# Altium PCB Computer_Board_Mockup.PcbDoc (part 1 of 5) (continued)
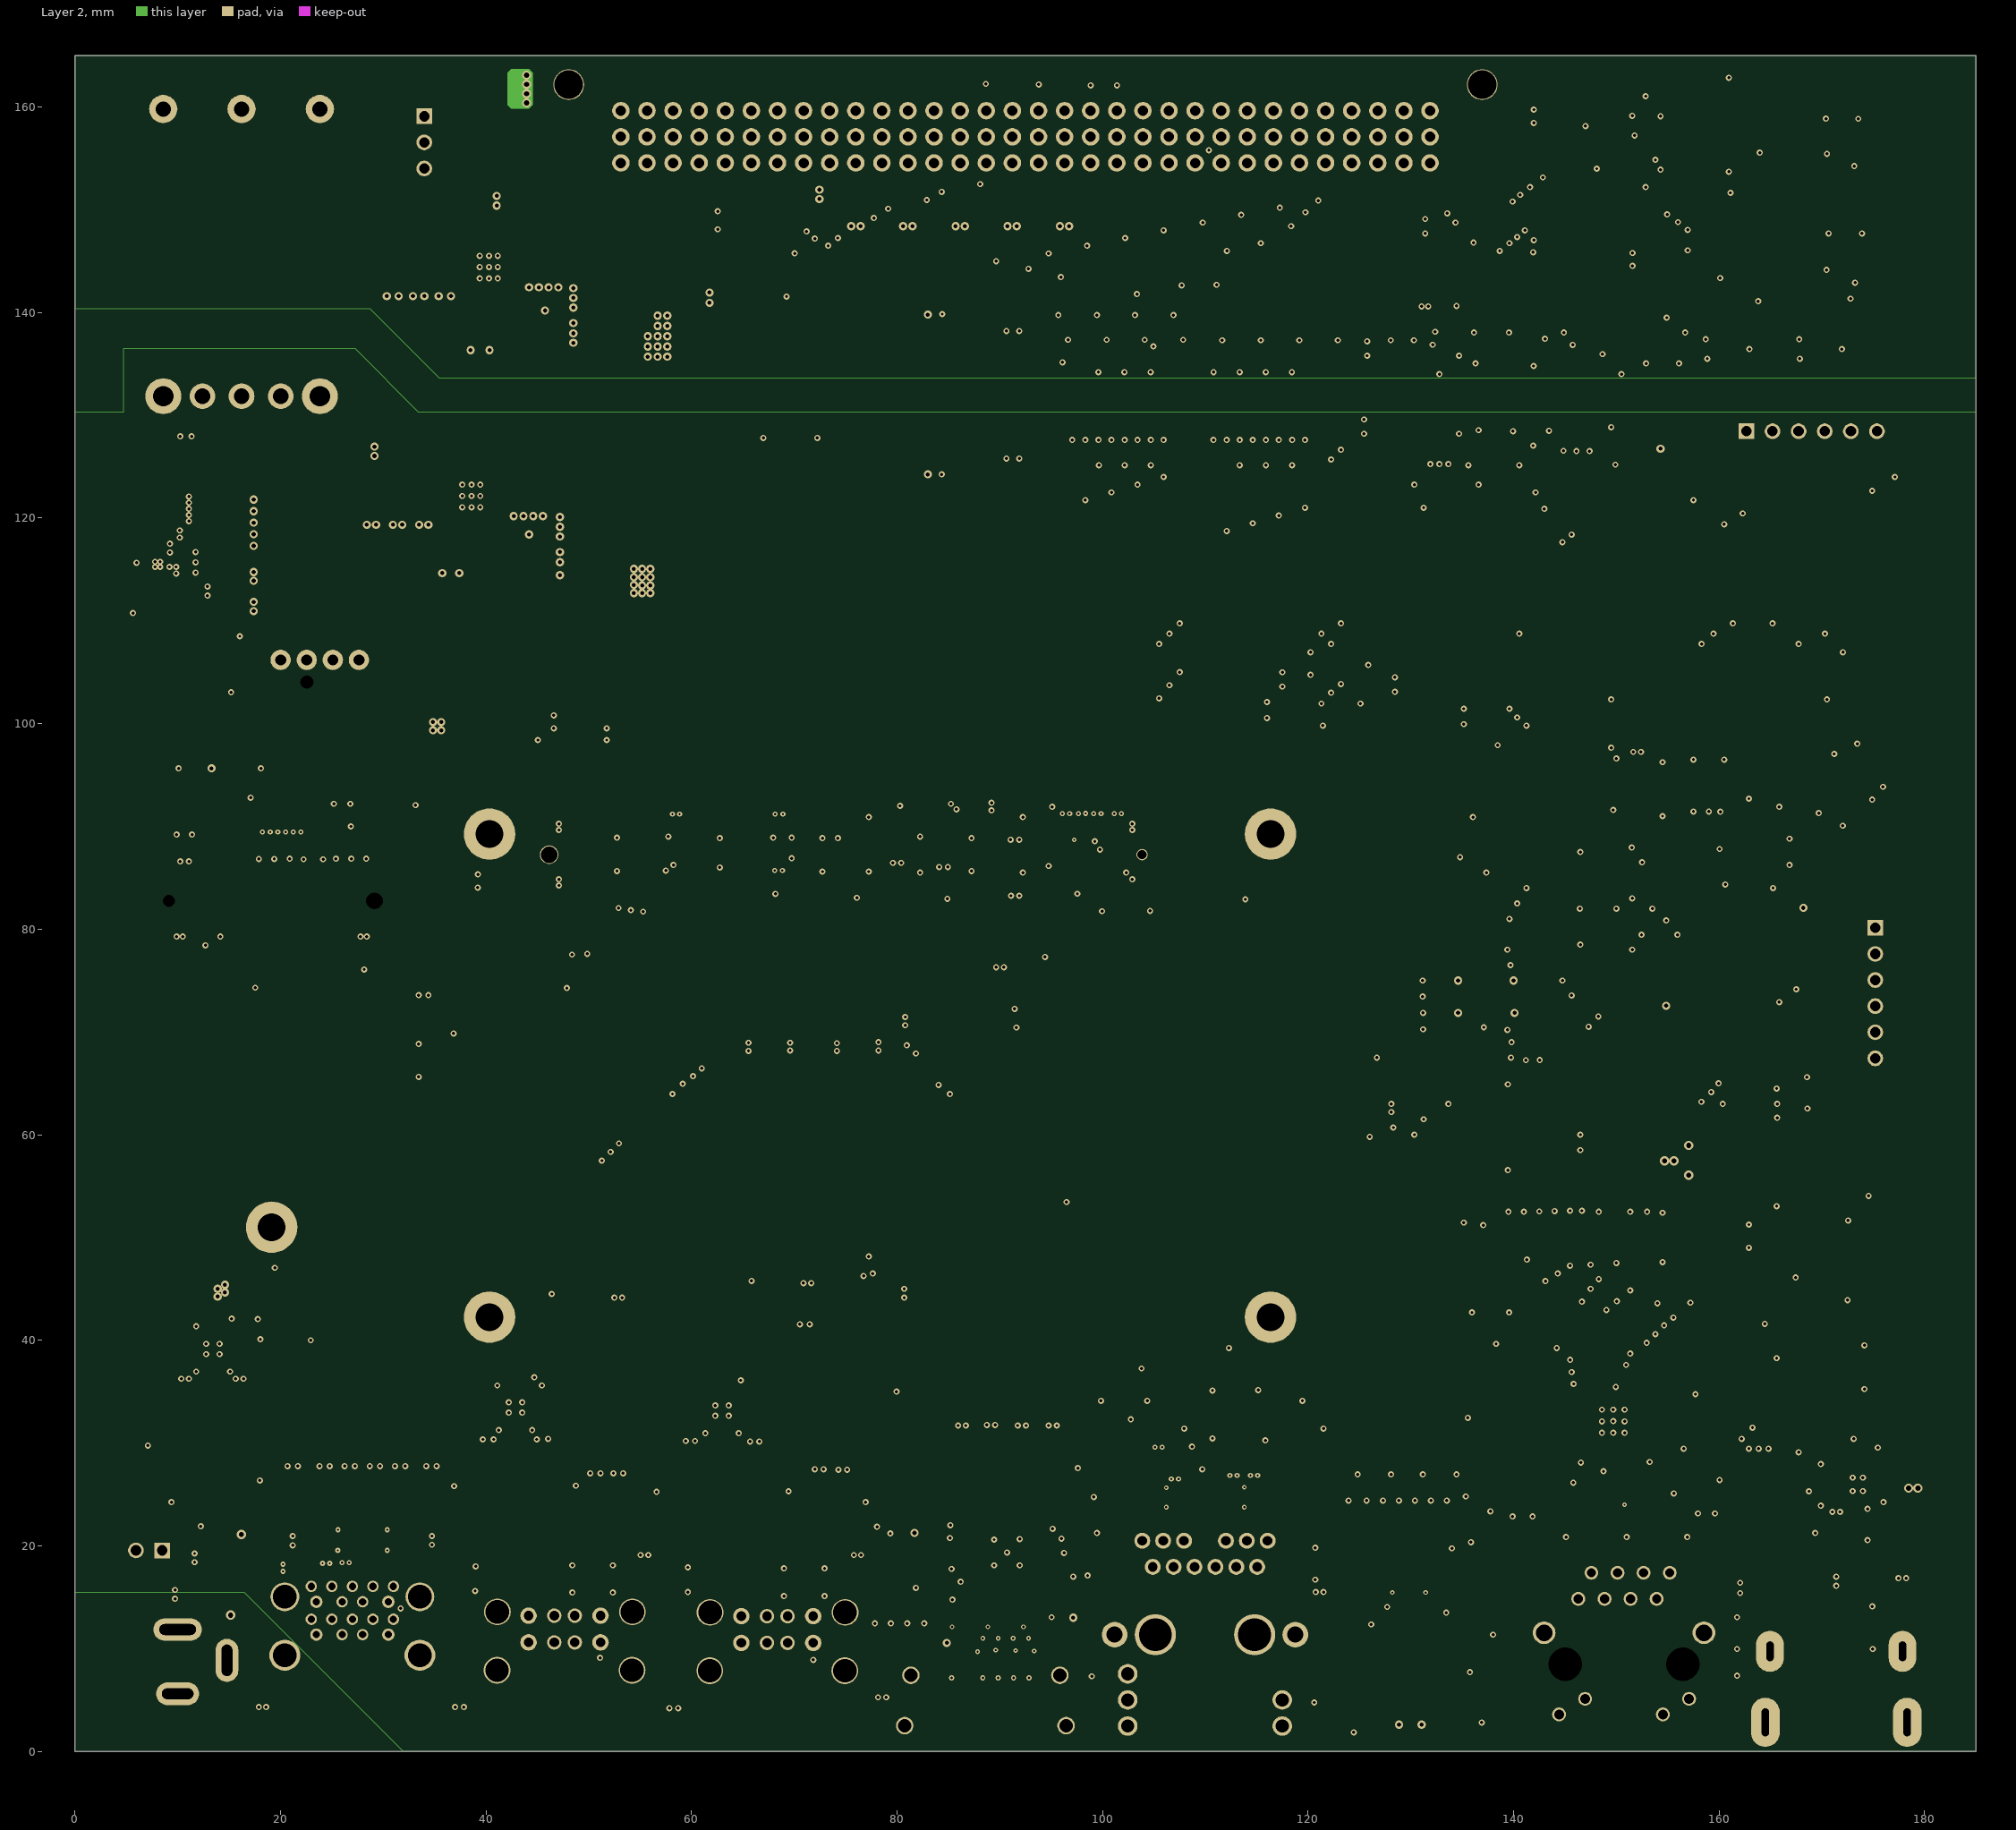
[diagram p3: Layer 2]

## Layer stack, top to bottom
Top Solder: solder mask 0.0102, Solder Resist, Dk 3.8
Top Layer: signal copper 0.035
Dielectric 2: prepreg 0.2, PP-022, Dk 4.6
Layer 1: signal copper 0.0175
Dielectric 1: dielectric 1.065, FR-4, Dk 4.8
Layer 2: signal copper 0.0175
Dielectric 3: prepreg 0.2, PP-022, Dk 4.6
Bottom Layer: signal copper 0.035
Bottom Solder: solder mask 0.0102, Solder Resist, Dk 3.8

## Board outline
0,0 185,0 185,165 0,165

## Design rules (kind name [scope] priority, off if disabled: settings)
BoardOutlineClearance [All] p1: gap=0.4 ignorepadtopadclearanceinfootprint=FALSE except(0: Arc-SplitContinuation Track-SplitContinuation SMDPad-SplitContinuation THPad-SplitContinuation Via-SplitContinuation Fill-SplitContinuation Poly-SplitContinuation Region-SplitContinuation Text-SplitContinuation)
Clearance Clearance_HighSpeed [InNetClass('High Speed') vs OnLayer('Top Layer')] p1: gap=0.25 ignorepadtopadclearanceinfootprint=FALSE except(0: Arc-Hole Track-Hole SMDPad-Hole THPad-Hole Via-Hole Fill-Hole Poly-Hole Region-Hole Text-Hole; 0.1: Arc-Arc Arc-Track Arc-SMDPad Track-Track Track-SMDPad SMDPad-SMDPad; 0.15: Arc-Via Track-Via SMDPad-Via Via-Via; 0.2: Arc-THPad Track-THPad SMDPad-THPad THPad-THPad THPad-Via; 0.22: SMDPad-Fill SMDPad-Poly SMDPad-Region; 0.75: Arc-Fill Arc-Poly Arc-Region Track-Fill Track-Poly Track-Region Fill-Fill Fill-Poly Fill-Region Poly-Poly Poly-Region Region-Region)
Clearance [All] p2: gap=0.2 ignorepadtopadclearanceinfootprint=FALSE except(0: Arc-Hole Track-Hole SMDPad-Hole THPad-Hole Via-Hole Fill-Hole Poly-Hole Region-Hole Text-Hole; 0.1: Arc-Arc Arc-Track Arc-SMDPad Track-Track Track-SMDPad SMDPad-SMDPad; 0.15: Arc-Via Track-Via SMDPad-Via Via-Via; 0.25: Arc-Text Track-Text SMDPad-Text THPad-Fill THPad-Poly THPad-Region THPad-Text Via-Text Fill-Fill Fill-Poly Fill-Region Fill-Text Poly-Poly Poly-Region Poly-Text Region-Region Region-Text Text-Text)
DiffPairsRouting DiffPairs_USB [InDifferentialPairClass('USB')] p1: maxlimit=1 minlimit=0.1 mostfreqgap=0.2 toplayer_minwidth=0.1 toplayer_maxwidth=1 toplayer_prefwidth=0.25 midlayer1_minwidth=0.1 midlayer1_maxwidth=1 midlayer1_prefwidth=0.25 midlayer2_minwidth=0.1 midlayer2_maxwidth=1 midlayer2_prefwidth=0.25 bottomlayer_minwidth=0.1 bottomlayer_maxwidth=1 bottomlayer_prefwidth=0.25 maxuncoupledlength=12.7
DiffPairsRouting DiffPairs_PCIE [InDifferentialPairClass('PCIE')] p2: maxlimit=1 minlimit=0.1 mostfreqgap=0.18 toplayer_minwidth=0.2 toplayer_maxwidth=1 toplayer_prefwidth=0.25 midlayer1_minwidth=0.2 midlayer1_maxwidth=1 midlayer1_prefwidth=0.25 midlayer2_minwidth=0.2 midlayer2_maxwidth=1 midlayer2_prefwidth=0.25 bottomlayer_minwidth=0.2 bottomlayer_maxwidth=1 bottomlayer_prefwidth=0.25 maxuncoupledlength=12.7
DiffPairsRouting DiffPairs_HDMI [InDifferentialPairClass('HDMI')] p3: maxlimit=1 minlimit=0.2 mostfreqgap=0.2 toplayer_minwidth=0.2 toplayer_maxwidth=1 toplayer_prefwidth=0.25 midlayer1_minwidth=0.2 midlayer1_maxwidth=1 midlayer1_prefwidth=0.25 midlayer2_minwidth=0.2 midlayer2_maxwidth=1 midlayer2_prefwidth=0.25 bottomlayer_minwidth=0.2 bottomlayer_maxwidth=1 bottomlayer_prefwidth=0.25 maxuncoupledlength=12.7
DiffPairsRouting DiffPairs_Ethernet [InDifferentialPairClass('Ethernet')] p4: maxlimit=1 minlimit=0.2 mostfreqgap=0.25 toplayer_minwidth=0.2 toplayer_maxwidth=1 toplayer_prefwidth=0.25 midlayer1_minwidth=0.2 midlayer1_maxwidth=1 midlayer1_prefwidth=0.25 midlayer2_minwidth=0.2 midlayer2_maxwidth=1 midlayer2_prefwidth=0.25 bottomlayer_minwidth=0.2 bottomlayer_maxwidth=1 bottomlayer_prefwidth=0.25 maxuncoupledlength=12.7
MinimumSolderMaskSliver [All] p1: minsoldermaskwidth=0.1
PolygonConnect [All] p1: thpad.connectstyle=Relief thpad.reliefconductorwidth=0.254 thpad.reliefentries=4 thpad.polygonreliefangle="90 Angle" thpad.airgapwidth=0.254 smdpad.connectstyle=Direct smdpad.reliefconductorwidth=0.254 smdpad.reliefentries=4 smdpad.polygonreliefangle="90 Angle" smdpad.airgapwidth=0.254 via.connectstyle=Direct via.reliefconductorwidth=0.254 via.reliefentries=4 via.polygonreliefangle="90 Angle" via.airgapwidth=0.254
RoutingVias [All] p1: holewidth=0.3 width=0.6 viastyle="Through Hole" minholewidth=0.2 minwidth=0.4 maxholewidth=5 maxwidth=10
SolderMaskExpansion [All] p1: expansion=0.102 istentingtop=FALSE
Width [All] p1: maxlimit=100 minlimit=0.2 preferedwidth=0.25 midlayer1_minwidth=0.25 midlayer2_minwidth=0.25 minimp=50.000000 maximp=50.000000 favimp=50.000000
28 further rules are at their usual default settings.

## Classes and differential pairs
component class SCH12_AFE: C85 C86 C87 C88 C89 C90 C91 C92 C93 C94 C95 C96 C97 C98 C99 C100 C101 C102 C103 C104 C105 C106 D29 D30 D31 F3 F4 F5 F6 J13 J14 J15 J16 R101 R102 R103 R104 R105 R107 R108 R109 R110 R111 R113 R115 R116 R117 U41 U42 U43 U44 U45 U46 U47
component class SCH11_Digital_IO: C79 C80 C81 C82 C83 C84 C115 C116 D19 D20 D21 D22 D23 D24 D25 D26 D27 D28 D34 D35 R78 R79 R80 R81 R82 R83 R84 R85 R86 R87 R88 R89 R90 R91 R92 R93 R94 R95 R96 R97 R98 R99 R100 R121 R122 U35 U36 U37 U38 U39 U40 U48
component class SCH10_BBB_USB: C76 C77 C78 C110 D16 J10 L21 R73 R74 R75 T11 U31 U32
net class "High Speed": BBB_RX_N BBB_RX_P BBB_TX_N BBB_TX_P BBB_USB1_D_N BBB_USB1_D_P BBB_USB1_EXT_N BBB_USB1_EXT_P HDMI_CLK_EXT_N HDMI_CLK_EXT_P HDMI_CLK_N HDMI_CLK_P HDMI_DAT0_EXT_N HDMI_DAT0_EXT_P HDMI_DAT0_N HDMI_DAT0_P HDMI_DAT1_EXT_N HDMI_DAT1_EXT_P HDMI_DAT1_N HDMI_DAT1_P HDMI_DAT2_EXT_N HDMI_DAT2_EXT_P HDMI_DAT2_N HDMI_DAT2_P MDI0_N MDI0_P MDI1_N MDI1_P MDI2_N MDI2_P MDI3_N MDI3_P PCIE_CLK_N PCIE_CLK_P PCIE_RX0_N PCIE_RX0_P PCIE_TX0_N PCIE_TX0_P TMDSX_CLK_N TMDSX_CLK_P TMDSX_DATA0_N TMDSX_DATA0_P TMDSX_DATA1_N TMDSX_DATA1_P TMDSX_DATA2_N TMDSX_DATA2_P USB0_C_N USB0_C_P USB0_C_RX_N USB0_C_RX_P USB0_C_TX_N USB0_C_TX_P USB0_N USB0_P USB1_C_N USB1_C_P USB1_C_RX_N USB1_C_RX_P USB1_C_TX_N USB1_C_TX_P USB1_N USB1_P USB2_C_N USB2_C_P USB2_N USB2_P USB3_C_N USB3_C_P USB3_N USB3_P USB4_C_N USB4_C_P USB4_N USB4_P USB5_C_N USB5_C_P USB5_N USB5_P USB6_BBB_N USB6_BBB_P USB6_N USB6_P USB7_N USB7_P USB_SSRX0_N USB_SSRX0_P USB_SSRX1_N USB_SSRX1_P USB_SSTX0_N USB_SSTX0_P USB_SSTX1_N USB_SSTX1_P
differential pair class PCIE: PCIE_CLK PCIE_RX0 PCIE_TX0
differential pair class HDMI: HDMI_CLK HDMI_CLK_EXT HDMI_DAT0 HDMI_DAT0_EXT HDMI_DAT1 HDMI_DAT1_EXT HDMI_DAT2 HDMI_DAT2_EXT TMDSX_CLK TMDSX_DATA0 TMDSX_DATA1 TMDSX_DATA2
differential pair class Ethernet: BBB_RX BBB_TX MDI0 MDI1 MDI2 MDI3
differential pair class USB: BBB_USB1_D BBB_USB1_EXT USB0 USB0_C USB0_C_RX USB0_C_TX USB1 USB1_C USB1_C_RX USB1_C_TX USB2 USB2_C USB3 USB3_C USB4 USB4_C USB5 USB5_C USB6 USB6_BBB USB7 USB_SSRX0 USB_SSRX1 USB_SSTX0 USB_SSTX1
component class SCH9_BBB_Eth: C67 C68 C69 C70 C71 C72 C73 C74 C75 J12 L18 L19 L20 R60 R61 R62 R63 R64 R65 R66 R67 R68 R69 R70 R71 R76 RN1 RN2 U29 U30 Y1
component class SCH8_BBB: C65 C66 C107 C108 C109 C111 C112 C113 C114 D17 D18 D32 D33 J11 MOD1 P4 P6 Q6 Q7 R51 R52 R53 R54 R55 R56 R57 R58 R59 R72 R77 R106 R112 R114 R118 R119 R120 SW2 SW3 U33 U34
component class SCH7_Main_Computer_PCIe: C62 C63 C64 J9 R42 R43 R44 R45 R47 R48 R49 U28
component class SCH6_Main_computer_Display: C47 C48 C49 C50 C51 C52 C53 C54 C55 C56 C57 C58 C59 C60 D14 F2 J8 L14 L15 L16 L17 R32 R33 R34 R35 R36 R37 R38 R39 R40 R41 R46 U24 U25 U26 U27
component class SCH5_Main_computer_USB2-0: C37 C38 C39 C40 C41 C42 C43 C44 C45 C46 D10 D11 D12 D13 J6 J7 L10 L11 L12 L13 R30 R31 T7 T8 T9 T10 U18 U19 U20 U21 U22 U23
component class SCH4_Main_Computer_USB: C31 C32 C33 C34 C35 C36 D8 D9 J5 L8 L9 Q3 Q4 Q5 R26 R27 R28 R29 T1 T2 T3 T4 T5 T6 U13 U14 U15 U16 U17
component class SCH3_Main_Computer_Eth: C61 J4 L7 R20 R21 R22 R23 R24 R25 U6 U7 U8 U9 U10 U11 U12
component class SCH2_Main_Computer: BT1 C30 D5 D6 D7 D15 F1 J2 J3 P3 Q1 Q2 R13 R14 R15 R16 R17 R18 R19 R50 SW1 U5
component class SCH1_Power: C1 C2 C3 C4 C5 C6 C7 C8 C9 C10 C11 C12 C13 C14 C15 C16 C17 C18 C19 C20 C21 C22 C23 C24 C25 C26 C27 C28 C29 D1 D2 D3 D4 F7 F8 F9 F10 F11 J1 L1 L2 L3 L4 L5 L6 P1 P2 R1 R2 R3 R4 R5 R6 R7 R8 R9 R10 R11 R12 U1 U2 U3 U4
differential pair USB6: +USB6_P -USB6_N
differential pair USB6_BBB: +USB6_BBB_P -USB6_BBB_N
differential pair BBB_USB1_EXT: +BBB_USB1_EXT_P -BBB_USB1_EXT_N
differential pair BBB_USB1_D: +BBB_USB1_D_P -BBB_USB1_D_N
differential pair BBB_TX: +BBB_TX_P -BBB_TX_N
differential pair BBB_RX: +BBB_RX_P -BBB_RX_N
differential pair USB_SSTX1: +USB_SSTX1_P -USB_SSTX1_N
differential pair USB_SSTX0: +USB_SSTX0_P -USB_SSTX0_N
differential pair USB_SSRX1: +USB_SSRX1_P -USB_SSRX1_N
differential pair USB_SSRX0: +USB_SSRX0_P -USB_SSRX0_N
differential pair USB7: +USB7_P -USB7_N
differential pair USB5: +USB5_P -USB5_N
differential pair USB5_C: +USB5_C_P -USB5_C_N
differential pair USB4: +USB4_P -USB4_N
differential pair USB4_C: +USB4_C_P -USB4_C_N
differential pair USB3: +USB3_P -USB3_N
differential pair USB3_C: +USB3_C_P -USB3_C_N
differential pair USB2: +USB2_P -USB2_N
differential pair USB2_C: +USB2_C_P -USB2_C_N
differential pair USB1: +USB1_P -USB1_N
differential pair USB1_C: +USB1_C_P -USB1_C_N
differential pair USB1_C_TX: +USB1_C_TX_P -USB1_C_TX_N
differential pair USB1_C_RX: +USB1_C_RX_P -USB1_C_RX_N
differential pair USB0: +USB0_P -USB0_N
differential pair USB0_C: +USB0_C_P -USB0_C_N
differential pair USB0_C_TX: +USB0_C_TX_P -USB0_C_TX_N
differential pair USB0_C_RX: +USB0_C_RX_P -USB0_C_RX_N
differential pair TMDSX_DATA2: +TMDSX_DATA2_P -TMDSX_DATA2_N
differential pair TMDSX_DATA1: +TMDSX_DATA1_P -TMDSX_DATA1_N
differential pair TMDSX_DATA0: +TMDSX_DATA0_P -TMDSX_DATA0_N
differential pair TMDSX_CLK: +TMDSX_CLK_P -TMDSX_CLK_N
differential pair PCIE_TX0: +PCIE_TX0_P -PCIE_TX0_N
differential pair PCIE_RX0: +PCIE_RX0_P -PCIE_RX0_N
differential pair PCIE_CLK: +PCIE_CLK_P -PCIE_CLK_N
differential pair MDI3: +MDI3_P -MDI3_N
differential pair MDI2: +MDI2_P -MDI2_N
differential pair MDI1: +MDI1_P -MDI1_N
differential pair MDI0: +MDI0_P -MDI0_N
differential pair HDMI_DAT2: +HDMI_CLK_P -HDMI_CLK_N
differential pair HDMI_DAT2_EXT: +HDMI_CLK_EXT_P -HDMI_CLK_EXT_N
differential pair HDMI_DAT1: +HDMI_DAT0_P -HDMI_DAT0_N
differential pair HDMI_DAT1_EXT: +HDMI_DAT0_EXT_P -HDMI_DAT0_EXT_N
differential pair HDMI_DAT0: +HDMI_DAT1_P -HDMI_DAT1_N
differential pair HDMI_DAT0_EXT: +HDMI_DAT1_EXT_P -HDMI_DAT1_EXT_N
differential pair HDMI_CLK: +HDMI_DAT2_P -HDMI_DAT2_N
differential pair HDMI_CLK_EXT: +HDMI_DAT2_EXT_P -HDMI_DAT2_EXT_N

## Components (designator, comment, footprint, x,y, rotation, side; value= is the part's Value field where it differs from the comment)
BT1 "BU2032SM-JJ-GTR" BU2032SM-JJ-GTR 69.65,111.9 r90 top
C1 "cap_single_np" chip_0603 39.7,125.3 r0 top
C2 "cap_single_np" chip_1206 33.95,122.025 r270 top
C3 "cap_single_np" chip_1206 31.4,122.025 r270 top
C4 "cap_single_np" chip_1206 28.85,122.025 r270 top
C5 "cap_single_np" chip_1206 26.475,126.5 r0 top
C6 "cap_single_np" chip_1210 49.925,119.15 r180 top
C7 "cap_single_np" chip_1206 49.925,116.2 r180 top
C8 "cap_single_np" chip_1206 49.925,113.75 r180 top
C9 "cap_single_np" chip_0603 35.75,116.35 r270 top
C10 "cap_single_np" chip_0603 42.45,118.4 r0 top
C11 "cap_single_np" chip_0603 43.3,116.2 r90 top
C12 "cap_single_np" chip_0603 9.65,109.75 r0 top
C13 "cap_single_np" chip_1206 10.8,125.575 r90 top
C14 "cap_single_np" chip_1206 7.625,121.45 r0 top
C15 "cap_single_np" chip_1206 7.625,118.95 r0 top
C16 "cap_single_np" chip_0603 7.65,116.9 r180 top
C17 "cap_single_np" chip_1210 14.275,115.7 r180 top
C18 "cap_single_np" chip_0805 14.825,112.9 r180 top
C19 "cap_single_np" chip_0603 41.8,147.85 r0 top
C20 "cap_single_np" chip_1206 38.4,150.9 r0 top
C21 "cap_single_np" chip_1206 30.9,144.125 r270 top
C22 "cap_single_np" chip_1206 33.45,144.125 r270 top
C23 "cap_single_np" chip_1206 36,144.125 r270 top
C24 "cap_single_np" chip_1210 51.125,141.475 r180 top
C25 "cap_single_np" chip_1206 51.125,138.525 r180 top
C26 "cap_single_np" chip_1206 59.125,141.5 r0 top
C27 "cap_single_np" chip_0603 38.5,138 r270 top
C28 "cap_single_np" chip_0603 44.05,140.2 r0 top
C29 "cap_single_np" chip_0603 45,137.95 r90 top
C30 "cap_single_np" chip_0603 11.65,95.65 r180 top
C31 "cap_single_np" chip_0603 14.55,43.1 r180 top
C32 "cap_single_p" chip_2917_KEMET_T495 16.2,31.326 r90 top
C33 "cap_single_p" chip_2917_KEMET_T495 10.65,31.276 r90 top
C34 "cap_single_np" chip_0603 18,24.8 r270 top
C35 "cap_single_np" chip_0603 12.25,23.4 r90 top
C36 "cap_single_np" chip_0805 24.375,37.25 r180 top
C37 "cap_single_np" chip_0603 44,37.4 r180 top
C38 "cap_single_np" chip_0603 64.1,37 r180 top
C39 "cap_single_p" chip_2917_KEMET_T495 45.5,25.476 r90 top
C40 "cap_single_p" chip_2917_KEMET_T495 40.2,25.476 r90 top
C41 "cap_single_p" chip_2917_KEMET_T495 66.1,25.276 r90 top
C42 "cap_single_p" chip_2917_KEMET_T495 59.9,25.326 r90 top
C43 "cap_single_np" chip_0603 48.8,24.25 r270 top
C44 "cap_single_np" chip_0603 36.9,24.25 r270 top
C45 "cap_single_np" chip_0603 69.45,23.7 r270 top
C46 "cap_single_np" chip_0603 56.55,23.65 r270 top
C47 "cap_single_np" chip_0603 97.85,18.025 r180 top
C48 "cap_single_np" chip_0603 86.2,21.3 r90 top
C49 "cap_single_np" chip_0603 81,10.85 r90 top
C50 "cap_single_np" chip_0603 79.4,10.85 r90 top
C51 "cap_single_np" chip_0603 79.75,26.65 r90 top
C52 "cap_single_np" chip_0603 78.15,26.65 r270 top
C53 "cap_single_np" chip_0603 85.45,27.5 r270 top
C54 "cap_single_np" chip_0603 86.95,27.5 r270 top
C55 "cap_single_np" chip_0603 88.45,27.5 r270 top
C56 "cap_single_np" chip_0603 89.95,27.5 r270 top
C57 "cap_single_np" chip_0603 91.45,27.5 r270 top
C58 "cap_single_np" chip_0603 92.95,27.5 r270 top
C59 "cap_single_np" chip_0603 94.45,27.5 r270 top
C60 "cap_single_np" chip_0603 95.95,27.5 r270 top
C61 "cap_single_np" chip_0603 120.7,18.2 r90 top
C62 "cap_single_np" chip_0603 11.15,78.375 r180 top
C63 "cap_single_np" chip_0603 33.45,67.225 r90 top
C64 "cap_single_np" chip_0603 28.15,77.625 r270 top
C65 "cap_single_np" chip_0603 135.55,26.25 r90 top
C66 "cap_single_np" chip_1206 135.55,29.925 r90 top
C67 "cap_single_np" chip_0603 149.95,36.9 r90 top
C68 "cap_single_np" chip_0603 154.95,29.95 r0 top
C69 "cap_single_np" chip_0603 148,28.1 r180 top
C70 "cap_single_np" chip_1206 155.85,28 r0 top
C71 "cap_single_np" chip_0603 157.9,21.55 r90 top
C72 "cap_single_np" chip_0603 154.7,33.85 r90 top
C73 "cap_single_np" chip_0805 156.5,34.25 r90 top
C74 "cap_single_np" chip_0603 160.6,30.15 r0 top
C75 "cap_single_np" chip_0603 163.4,33.05 r270 top
C76 "cap_single_np" chip_0603 177.35,24.9 r270 top
C77 "cap_single_p" chip_2917_KEMET_T495 163.85,24.55 r90 top
C78 "cap_single_np" chip_0603 168.65,22.2 r180 top
C79 "cap_single_np" chip_0603 83.7,125.2 r180 top
C80 "cap_single_np" chip_0603 83.7,138.85 r0 top
C81 "cap_single_np" chip_0603 67.7,141.55 r180 top
C82 "cap_single_np" chip_0603 172.75,97.1 r0 top
C83 "cap_single_np" chip_0603 127.45,103.8 r270 top
C84 "cap_single_np" chip_0603 116.5,104.3 r90 top
C85 "cap_single_np" chip_0603 126.4,128.9 r270 top
C86 "cap_single_np" chip_0603 126.75,136.5 r270 top
C87 "cap_single_np" chip_0603 172.1,158.85 r180 top
C88 "cap_single_np" chip_0603 160.95,158.2 r90 top
C89 "cap_single_np" chip_0603 171.2,154.25 r180 top
C90 "cap_single_np" chip_0603 160.95,161.25 r90 top
C91 "cap_single_np" chip_0603 160.95,155.15 r270 top
C92 "cap_single_np" chip_0603 140.9,127.75 r270 top
C93 "cap_single_np" chip_0603 172.45,147.7 r180 top
C94 "cap_single_np" chip_0603 161.05,147.05 r90 top
C95 "cap_single_np" chip_0603 142.926,159.045 r90 top
C96 "cap_single_np" chip_0603 171.35,142.9 r180 top
C97 "cap_single_np" chip_0603 161.05,150 r90 top
C98 "cap_single_np" chip_0603 161.05,144.1 r270 top
C99 "cap_single_np" chip_0603 130.5,148.4 r90 top
C100 "cap_single_np" chip_0603 132.3,148.4 r90 top
C101 "cap_single_np" chip_0603 163.8,136.7 r270 top
C102 "cap_single_np" chip_0603 142.926,146.345 r90 top
C103 "cap_single_np" chip_0603 135.3,142.45 r270 top
C104 "cap_single_np" chip_0603 135.3,146.05 r90 top
C105 "cap_single_np" chip_0603 135.3,138.75 r270 top
C106 "cap_single_np" chip_0603 172.8,136.7 r270 top
C107 "cap_single_np" chip_0603 168.55,64.05 r90 top
C108 "cap_single_np" chip_0603 127.6,59.8 r180 top
C109 "cap_single_np" chip_0603 155.6,43.6 r180 top
C110 "cap_single_np" chip_0603 174.45,22.05 r90 top
C111 "cap_single_np" chip_0603 132.7,75 r0 top
C112 "cap_single_np" chip_0603 132.7,73.45 r0 top
C113 "cap_single_np" chip_0603 132.75,70.25 r0 top
C114 "cap_single_np" chip_0603 132.75,71.85 r0 top
C115 "cap_single_np" chip_0603 144.15,127.55 r180 top
C116 "cap_single_np" chip_0603 143.1,135.65 r270 top
D1 "diode_sch_A12C3" TO-277-3 40,156.465 r0 top
D2 "diode_sch_A12C3" TO-277-3 40,161.785 r0 top
D3 "diode_sch_A12C3" TO-277-3 44.085,124.1 r270 top
D4 "diode_sch_A12C3" TO-277-3 45.635,146.35 r270 top
D5 "BZX84C3V3-7-F" sot-23-3 16.9,101.15 r0 top
D6 "BZX84C3V3-7-F" sot-23-3 15.15,106.4 r270 top
D7 "diode_6" sot-23-3 73.75,94.15 r0 top
D8 "diode_1" do-214ac 13.2,15.3 r180 top
D9 "diode_1" do-214ac 15.1,18.85 r180 top
D10 "diode_1" do-214ac 41.6,16.8 r180 top
D11 "diode_1" do-214ac 37.45,7.75 r270 top
D12 "diode_1" do-214ac 62.4,16.7 r180 top
D13 "diode_1" do-214ac 58.25,7.65 r270 top
D14 "diode_2" sod123_0 81.7,23.925 r90 top
D15 "diode_4" chip_0603_LED 7.8,24.25 r180 top
D16 "diode_1" do-214ac 165.5,15.9 r180 top
D17 "diode_2" sod123_0 168.2,79.15 r90 top
D18 "diode_2" sod123_0 157.225,126.75 r180 top
D19 "DLPT05" sot-23-3 95.7,139.45 r90 top
D20 "DLPT05" sot-23-3 99.45,139.45 r90 top
D21 "DLPT05" sot-23-3 62.55,147.8 r90 top
D22 "DLPT05" sot-23-3 70,147.2 r0 top
D23 "DLPT05" sot-23-3 103.15,139.45 r90 top
D24 "DLPT05" sot-23-3 106.9,139.45 r90 top
D25 "DLPT05" sot-23-3 110.7,139.4 r90 top
D26 "DLPT05" sot-23-3 114.45,139.4 r90 top
D27 "DLPT05" sot-23-3 118.2,139.4 r90 top
D28 "DLPT05" sot-23-3 121.95,139.4 r90 top
D29 "DLPT05" sot-23-3 154.9,139.2 r90 top
D30 "DLPT05" sot-23-3 160.95,136.45 r0 top
D31 "DLPT05" sot-23-3 169.95,136.45 r0 top
D32 "diode_4" chip_0603_LED 139.2,2.7 r270 top
D33 "diode_4" chip_0603_LED 174.85,49.35 r90 top
D34 "DLPT05" sot-23-3 154,159.1 r0 top
D35 "DLPT05" sot-23-3 154,153.9 r0 top
F1 "PTC_0" chip_1210 33.55,105.6 r90 top
F2 "PTC_0" chip_1210 81.7,32.475 r90 top
F3 "PTC_0" chip_1206 91.2,150.925 r270 top
F4 "PTC_0" chip_1206 96.3,150.925 r270 top
F5 "PTC_0" chip_1206 98.85,150.9 r270 top
F6 "PTC_0" chip_1206 101.4,150.9 r270 top
F7 "PTC_0" chip_1206 61.775,152.15 r0 top
F8 "PTC_0" chip_1206 69.825,151.5 r180 top
F9 "PTC_0" chip_1206 76,150.925 r90 top
F10 "PTC_0" chip_1206 81.05,150.925 r90 top
F11 "PTC_0" chip_1206 86.15,150.925 r90 top
J1 "1-1393644-6" TE_CONN_1-1393644-6 53.13,159.64 r180 top
J2 "3-1827253-6" TE_CONN_1827253 75,87.25 r0 top
J3 "conn-4x1_0" MOLEX_0470531000 27.64,106.2 r0 top
J4 "J0G-0003NL" J0G-0003NL 109.97,20.49 r180 top
J5 "1003-004-01010" CNC_TECH_1003-004-01010 27,12.85 r0 top
J6 "usb_a_x2" CUI_UJ2-ADH-1-TH 47.65,10.6 r0 top
J7 "usb_a_x2" CUI_UJ2-ADH-1-TH 68.35,10.55 r0 top
J8 "10029449-111RLF" AMPHENOL_10029449 88.6,7.45 r0 top
J9 "2199230-4" TE_CONN_2199230-4 19.15,82.75 r0 top
J10 "usb_a" TE_1932638-3 171.4,12 r0 top
J11 "1040310811" MOLEX_1040310811 131.245,1.3 r0 top
J12 "amphenol-RJMG1B" AMPHENOL_RJMG1B 150.75,8.485 r0 top
J13 "Net Tie" net_tie_0 88.65,161.75 r270 bottom
J14 "Net Tie" net_tie_0 93.8,161.7 r270 bottom
J15 "Net Tie" net_tie_0 98.85,161.6 r270 bottom
J16 "Net Tie" net_tie_0 101.4,161.6 r270 bottom
L1 "ind_1" CHIP_1008_IND 26.1,123.8 r0 top
L2 "ind_1" VISHAY_IHLP3232DZ 51.77,125.45 r0 top
L3 "ind_1" chip_0805 7.8,124 r180 top
L4 "ind_1" BOURNS_SRN5040 14.15,120.4 r0 top